# Altium PCB WAB_1x4_PCB.PcbDoc (part 3 of 5)
Units mil, origin at the board's own origin, x right, y up, seen from the top; angles counter-clockwise.
Board outline 13210.03 x 3810.03 mil, 12 copper layers (Top Layer, Ground Plane 1 (GND), Inner Layer 1, Ground Plane 2 (GND), Inner Layer 2, Power Plane (+3.3V), Power Plane (+12V), Inner Layer 3, Ground Plane 3 (GND), Inner Layer 4, Ground Plane 4 (GND), Bottom Layer), stack 82.8 mil thick; 113 components, 354 nets, 1682 pads, 1796 vias.
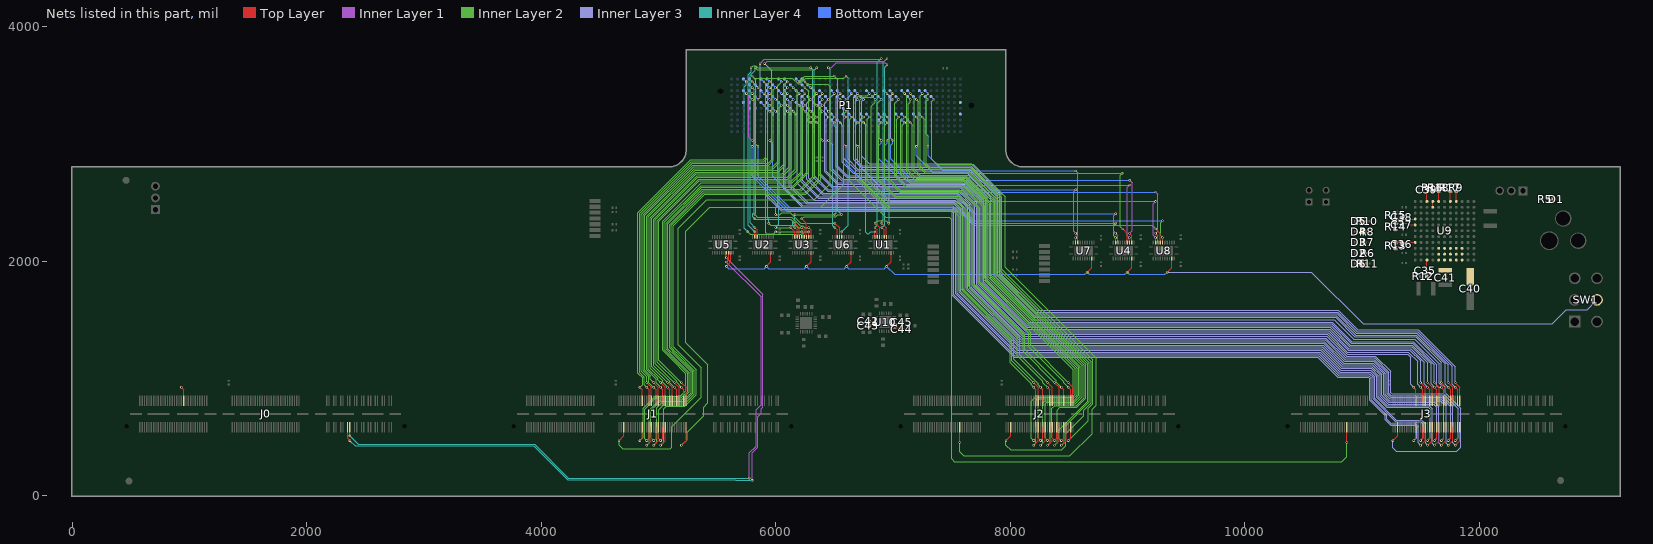
[diagram p13: the nets of this part, all layers, seen from the top]

## Via types
v1: diameter 20, hole 10, Top Layer to Bottom Layer, tented both sides, 1766 vias
v2: diameter 250, hole 125, Top Layer to Bottom Layer, 20 vias
v3: diameter 57.09, hole 53.15, Top Layer to Bottom Layer, 6 vias
v4: diameter 20, hole 10, Top Layer to Bottom Layer, tented bottom, 2 vias
v5: diameter 140, hole 106.3, Top Layer to Bottom Layer, 2 vias

## Nets (pads, with @x,y where several pads share a name; then routed paths per layer and width w, separated by ;. In a path a pad name is that pad's centre, name@x,y a point inside that pad or via, vN(x,y) a via of type N, cw(c..) or ccw(c..) an arc to the next point about the centre after c; other vN are vias at no path point) (continued)
HB03_P: J1.42 P1.E21 | length 4347
  Top Layer w4.71: v1(5196.06,430) 5235.43,469.37 J1.42@5235.43,585.25
  Inner Layer 2 w4.16: v1(5196.06,430) 5244.16,478.09 5244.16,539.15 5385,680 5385,755 5422.47,792.46 5422.47,1117.53 5235,1305 5235,2255 5440,2460 6385.21,2460 6582.92,2657.72 6582.92,3262.45 v1(6600,3279.53)
  Bottom Layer w4.71: P1.E21@6575,3304.53 v1(6600,3279.53)
HB04_N: J1.62 P1.F26 | length 4366.5
  Top Layer w4.71: v1(5018.9,470) 5038.58,489.69 J1.62@5038.58,585.25
  Inner Layer 2 w4.16: v1(5018.9,470) 5001.82,487.08 5001.82,731.82 5047.47,777.46 5217.5,777.46 5307.47,867.43 5307.47,1067.63 5145.92,1229.17 5145.7,1229.17 5110,1264.87 5110,2306.78 5388.22,2585 6250.67,2585 6367.08,2701.41 6367.08,3312.45 v1(6350,3329.53)
  Bottom Layer w4.71: P1.F26@6325,3354.53 v1(6350,3329.53)
HB04_P: J1.60 P1.F25 | length 4438.3
  Top Layer w4.71: v1(5018.9,430) 5058.27,469.37 J1.60@5058.27,585.25
  Inner Layer 2 w4.16: v1(5018.9,430) 5046.72,457.82 5046.72,741.72 5068.31,763.31 5223.37,763.31 5321.62,861.56 5321.62,1073.49 5151.78,1243.33 5151.57,1243.33 5125,1269.89 5125,2300.56 5394.44,2570 6258.08,2570 6382.92,2694.85 6382.92,3312.45 v1(6400,3329.53)
  Bottom Layer w4.71: P1.F25@6375,3354.53 v1(6400,3329.53)
HB05_N: P1.E25 U6.9 | length 1202.2
  Top Layer w4.71: v1(6505.39,2287.09) 6525.07,2267.4 U6.9@6525.07,2207.91
  Inner Layer 1 w4.16: v1(6400,3029.53) v1(6450,3029.53)
  Inner Layer 4 w4.16: v1(6400,3029.53) 6382.92,3046.61 6382.92,3262.45 v1(6400,3279.53) ; v1(6450,3029.53) 6488.31,2991.22 6488.31,2304.16 v1(6505.39,2287.09)
  Bottom Layer w4.71: P1.E25@6375,3304.53 v1(6400,3279.53)
HB05_P: P1.E24 U1.6 | length 2438
  Top Layer w4.71: v1(6905.87,2287.09) 6925.56,2267.4 U1.6@6925.56,2207.91
  Inner Layer 1 w4.16: v1(6450,3650) 6475.85,3650 6517.93,3692.08 6932.92,3692.08 v1(6950,3675)
  Inner Layer 4 w4.16: v1(6450,3279.53) 6467.08,3296.61 6467.08,3632.92 v1(6450,3650) ; v1(6905.87,2287.09) 6931.23,2312.45 6931.23,3656.23 v1(6950,3675)
  Bottom Layer w4.71: P1.E24@6425,3304.53 v1(6450,3279.53)
HB06_CC_N: P1.K29 U3.5 | length 2094
  Top Layer w4.71: v1(6223.01,2361.26) 6262.38,2321.89 U3.5@6262.38,2207.91
  Inner Layer 2 w4.16: v1(6200,3529.53) 6250,3579.53 v1(6500,3579.53) ; v1(6223.01,2361.26) 6243.02,2381.27 6512.46,2381.27 6529.54,2398.35 v1(6564.44,2398.35)
  Inner Layer 4 w4.16: v1(6500,3579.53) 6531.23,3548.3 6531.23,2428.77 v1@6565,2395
  Bottom Layer w4.71: P1.K29@6175,3554.53 v1(6200,3529.53)
HB06_CC_P: J1.96 P1.K28 | length 5240.9
  Top Layer w4.71: v1(4664.57,470) 4703.94,509.37 J1.96@4703.94,585.25
  Inner Layer 2 w4.16: v1(4664.57,470) 4664.57,430.43 4695,400 5100,400 5115,415 5115,589.17 5365,839.17 5365,1090.16 5169.16,1286.01 5169.16,2279.88 5413.43,2524.16 6329.16,2524.16 6467.08,2662.08 6467.08,3486.6 6443.68,3510 6269.53,3510 v1(6250,3529.53)
  Bottom Layer w4.71: P1.K28@6225,3554.53 v1(6250,3529.53)
HB07_N: J1.72 P1.J28 | length 4578.6
  Top Layer w4.71: v1(4900.79,430) 4940.16,469.37 J1.72@4940.16,585.25
  Inner Layer 2 w4.16: v1(4900.79,430) 4920,449.21 4920,730 5009.93,819.93 5199.91,819.93 5265,885.02 5265,1050.04 5128.33,1186.71 5128.11,1186.71 5065,1249.82 5065,2325.42 5369.58,2630 6154.25,2630 6282,2757.75 6282,3447.53 v1(6250,3479.53)
  Bottom Layer w4.71: P1.J28@6225,3504.53 v1(6250,3479.53)
HB07_P: J1.66 P1.J27 | length 4600.3
  Top Layer w4.71: v1(4959.84,430) 4999.21,469.37 J1.66@4999.21,585.25
  Inner Layer 2 w4.16: v1(4959.84,430) 4987.67,457.82 4987.67,751.59 5027.69,791.62 5211.64,791.62 5293.31,873.29 5293.31,1061.76 5140.06,1215.02 5139.84,1215.02 5095,1259.86 5095,2312.99 5382.01,2600 6217.36,2600 6332.92,2715.56 6332.92,3446.61 v1(6300,3479.53)
  Bottom Layer w4.71: P1.J27@6275,3504.53 v1(6300,3479.53)
HB08_N: J1.41 P1.F29 | length 3620.9
  Top Layer w4.71: v1(5196.06,965) 5235.43,925.63 J1.41@5235.43,810.75
  Inner Layer 2 w4.16: v1(5196.06,965) 5005,1156.06 5005,2340.44 5349.56,2685 6138.54,2685 6217.08,2763.54 6217.08,3312.45 v1(6200,3329.53)
  Bottom Layer w4.71: P1.F29@6175,3354.53 v1(6200,3329.53)
HB08_P: J1.80 P1.F28 | length 4349.3
  Top Layer w4.71: v1(4841.73,470) 4861.42,489.69 J1.80@4861.42,585.25
  Inner Layer 2 w4.16: v1(4841.73,470) 4869.55,497.82 4869.55,744.55 4973.24,848.24 5188.1,848.24 5235,895.14 5235,1040 5116.6,1158.4 5116.39,1158.4 5035,1239.78 5035,2340 5365,2670 6143.55,2670 6231.23,2757.68 6231.23,3310.76 v1(6250,3329.53)
  Bottom Layer w4.71: P1.F28@6225,3354.53 v1(6250,3329.53)
HB09_N: J1.74 P1.E28 | length 4307.4
  Top Layer w4.71: v1(4900.79,470) 4920.47,489.69 J1.74@4920.47,585.25
  Inner Layer 2 w4.16: v1(4900.79,470) 4883.71,487.08 4883.71,738.69 4979.1,834.09 5193.96,834.09 5208.11,848.24 5208.2,848.24 5250.85,890.88 5250.85,1044.17 5122.47,1172.55 5122.25,1172.55 5050.85,1243.96 5050.85,2331.28 5363.72,2644.16 6148.38,2644.16 6267.85,2763.62 6267.85,3261.68 v1(6250,3279.53)
  Bottom Layer w4.71: P1.E28@6225,3304.53 v1(6250,3279.53)
HB09_P: J1.68 P1.E27 | length 4323.2
  Top Layer w4.71: v1(4959.84,470) 4979.53,489.69 J1.68@4979.53,585.25
  Inner Layer 2 w4.16: v1(4959.84,470) 4935,494.84 4935,724.98 5015.79,805.78 5205.78,805.78 5214.07,814.07 5279.16,879.15 5279.16,1055.9 5134.19,1200.86 5133.98,1200.86 5080,1254.84 5080,2319.2 5375.8,2615 6209.96,2615 6317.08,2722.12 6317.08,3262.45 v1(6300,3279.53)
  Bottom Layer w4.71: P1.E27@6275,3304.53 v1(6300,3279.53)
HB10_N: J1.65 P1.K32 | length 3679.9
  Top Layer w4.71: v1(4959.84,965) 4999.21,925.63 J1.65@4999.21,810.75
  Inner Layer 2 w4.16: v1(4959.84,965) 4932.02,992.82 4932.02,1023.01 4885,1070.04 4885,2390.15 5299.85,2805 5975.69,2805 6017.08,2846.39 6017.08,3496.61 v1(6050,3529.53)
  Bottom Layer w4.71: P1.K32@6025,3554.53 v1(6050,3529.53)
HB10_P: J1.59 P1.K31 | length 3716.8
  Top Layer w4.71: v1(5018.9,965) 5058.27,925.63 J1.59@5058.27,810.75
  Inner Layer 2 w4.16: v1(5018.9,965) 4994.16,989.74 4994.16,1000.92 4915,1080.07 4915,2377.72 5312.28,2775 6016.4,2775 6067.08,2825.67 6067.08,3496.61 v1(6100,3529.53)
  Bottom Layer w4.71: P1.K31@6075,3554.53 v1(6100,3529.53)
HB11_N: J1.55 P1.J31 | length 3670
  Top Layer w4.71: v1(5077.95,925) 5097.64,905.32 J1.55@5097.64,810.75
  Inner Layer 2 w4.16: v1(5077.95,925) 5035.98,966.98 5035.98,979.12 4930,1085.09 4930,2371.51 5318.49,2760 6021.42,2760 6081.23,2819.81 6081.23,3460.76 v1(6100,3479.53)
  Bottom Layer w4.71: P1.J31@6075,3504.53 v1(6100,3479.53)
HB11_P: J1.43 P1.J30 | length 3751.7
  Top Layer w4.71: v1(5196.06,925) 5215.75,905.31 J1.43@5215.75,810.75
  Inner Layer 2 w4.16: v1(5196.06,925) 5155,966.06 5155,975 4990,1140 4990,2346.65 5343.35,2700 6105.23,2700 6182.92,2777.69 6182.92,3446.61 v1(6150,3479.53)
  Bottom Layer w4.71: P1.J30@6125,3504.53 v1(6150,3479.53)
HB12_N: J1.61 P1.F32 | length 3483.1
  Top Layer w4.71: v1(5018.9,925) 5038.58,905.31 J1.61@5038.58,810.75
  Inner Layer 2 w4.16: v1(5018.9,925) 4980,963.9 4980,995 4946.18,1028.82 4946.18,1028.88 4900,1075.05 4900,2383.93 5306.07,2790 5980.71,2790 6031.23,2840.52 6031.23,3310.76 v1(6050,3329.53)
  Bottom Layer w4.71: P1.F32@6025,3354.53 v1(6050,3329.53)
HB12_P: J1.49 P1.F31 | length 3566
  Top Layer w4.71: v1(5137.01,925) 5156.69,905.32 J1.49@5156.69,810.75
  Inner Layer 2 w4.16: v1(5137.01,925) 5135.03,925 5095.03,965 5095.03,974.97 4960,1110 4960,2359.08 5330.92,2730 6064.52,2730 6132.92,2798.4 6132.92,3296.61 v1(6100,3329.53)
  Bottom Layer w4.71: P1.F31@6075,3354.53 v1(6100,3329.53)
HB13_N: J1.53 P1.E31 | length 3497.1
  Top Layer w4.71: v1(5077.95,965) 5117.32,925.63 J1.53@5117.32,810.75
  Inner Layer 2 w4.16: v1(5077.95,965) 4945,1097.95 4945,2365.29 5324.71,2745 6057.11,2745 6117.08,2804.96 6117.08,3262.45 v1(6100,3279.53)
  Bottom Layer w4.71: P1.E31@6075,3304.53 v1(6100,3279.53)
HB13_P: J1.47 P1.E30 | length 3534
  Top Layer w4.71: v1(5137.01,965) 5176.38,925.63 J1.47@5176.38,810.75
  Inner Layer 2 w4.16: v1(5137.01,965) 4975,1127.01 4975,2352.87 5337.13,2715 6097.82,2715 6167.08,2784.25 6167.08,3262.45 v1(6150,3279.53)
  Bottom Layer w4.71: P1.E30@6125,3304.53 v1(6150,3279.53)
HB14_N: J1.79 P1.K35 | length 3610.7
  Top Layer w4.71: v1(4841.73,925) 4861.42,905.31 J1.79@4861.42,810.75
  Inner Layer 2 w4.16: v1(4841.73,925) 4865,948.27 4865,1005 4825,1045 4825,2415 5275,2865 5894.27,2865 5917.08,2887.81 5917.08,3512.45 v1(5900,3529.53)
  Bottom Layer w4.71: P1.K35@5875,3554.53 v1(5900,3529.53)
HB14_P: J1.73 P1.K34 | length 3609.3
  Top Layer w4.71: v1(4900.79,925) 4920.47,905.32 J1.73@4920.47,810.75
  Inner Layer 2 w4.16: v1(4900.79,925) 4880,945.79 4880,1010.02 4840,1050.02 4840,2408.79 5281.21,2850 5899.29,2850 5931.23,2881.94 5931.23,3510.76 v1(5950,3529.53)
  Bottom Layer w4.71: P1.K34@5925,3554.53 v1(5950,3529.53)
HB15_N: J1.71 P1.J34 | length 3586.4
  Top Layer w4.71: v1(4900.79,965) 4940.16,925.63 J1.71@4940.16,810.75
  Inner Layer 2 w4.16: v1(4900.79,965) 4900.79,1014.21 4855,1060 4855,2402.57 5287.43,2835 5934.98,2835 5967.08,2867.1 5967.08,3462.45 v1(5950,3479.53)
  Bottom Layer w4.71: P1.J34@5925,3504.53 v1(5950,3479.53)
HB15_P: J1.67 P1.J33 | length 3594.2
  Top Layer w4.71: v1(4959.84,925) 4979.53,905.32 J1.67@4979.53,810.75
  Inner Layer 2 w4.16: v1@4955,925 4917.87,962.13 4917.87,1017.15 4870,1065.02 4870,2396.36 5293.64,2820 5940,2820 5981.23,2861.23 5981.23,3460.76 v1(6000,3479.53)
  Bottom Layer w4.71: P1.J33@5975,3504.53 v1(6000,3479.53)
HB16_N: P1.F35 U3.7 | length 1485
  Top Layer w4.71: U3.7@6223.01,2207.91 v1(6223.01,2250)
  Inner Layer 2 w4.16: v1@6002.92,2250 v1(6223.01,2250)
  Inner Layer 4 w4.16: v1(5900,3329.53) 5917.08,3312.45 5917.08,2242.92 5927.08,2232.92 5982.62,2232.92 v1(5999.7,2250)
  Bottom Layer w4.71: P1.F35@5875,3354.53 v1(5900,3329.53)
HB16_P: P1.F34 U3.6 | length 1436
  Top Layer w4.71: v1(6223.01,2287.09) 6242.7,2267.4 U3.6@6242.7,2207.91
  Inner Layer 2 w4.16: v1(5940.64,2324.17) 5959.81,2305 6170.2,2305 6188.11,2287.09 v1(6223.01,2287.09)
  Inner Layer 4 w4.16: v1(5940.64,2324.17) 5940.64,2359.36 5932.92,2367.08 5932.92,3312.45 v1(5950,3329.53)
  Bottom Layer w4.71: P1.F34@5925,3354.53 v1(5950,3329.53)
HB17_CC_N: P1.K38 U3.4 | length 1911.4
  Top Layer w4.71: U3.4@6282.07,2207.91 v1(6282.07,2250)
  Inner Layer 2 w4.16: v1(5763.48,2250) 5783.48,2230 6227.17,2230 6247.17,2250 v1(6282.07,2250)
  Inner Layer 4 w4.16: v1(5750,3529.53) 5750,3503.68 5732.92,3486.6 5732.92,2282.08 v1@5764.24,2250.76
  Bottom Layer w4.71: P1.K38@5725,3554.53 v1(5750,3529.53)
HB17_CC_P: P1.K37 U3.3 | length 1779.2
  Top Layer w4.71: v1(6282.07,2287.09) 6301.75,2267.4 U3.3@6301.75,2207.91
  Inner Layer 2 w4.16: v1@5820,2400 5845,2375 6137.28,2375 6208.12,2304.16 6230.09,2304.16 6247.17,2287.09 v1(6282.07,2287.09)
  Inner Layer 4 w4.16: v1(5800,3529.53) 5831.23,3498.3 5831.23,2407.05 v1(5822.53,2398.35)
  Bottom Layer w4.71: P1.K37@5775,3554.53 v1(5800,3529.53)
HB18_N: P1.J37 U3.8 | length 1661.9
  Top Layer w4.71: v1(6163.96,2324.17) 6203.33,2284.8 U3.8@6203.33,2207.91
  Inner Layer 2 w4.16: v1(5822.53,2361.26) 5823.79,2360 6128.13,2360 v1(6163.96,2324.17)
  Inner Layer 4 w4.16: v1(5800,3479.53) 5817.08,3462.45 5817.08,2417.04 5805.45,2405.42 5805.45,2378.34 v1(5822.53,2361.26)
  Bottom Layer w4.71: P1.J37@5775,3504.53 v1(5800,3479.53)
HB18_P: P1.J36 U6.7 | length 2412.1
  Top Layer w4.71: U6.7@6564.44,2207.91 v1(6564.44,2250)
  Inner Layer 2 w4.16: v1(5800,3579.53) 5817.08,3562.45 6142.93,3562.45 6192.93,3512.45 6207.07,3512.45 6257.07,3562.45 6582.92,3562.45 v1(6600,3579.53)
  Inner Layer 3 w4.16: v1(5800,3579.53) 5830,3549.53 5830,3499.53 v1(5850,3479.53)
  Inner Layer 4 w4.16: v1(6564.44,2250) 6564.44,2252.93 6617.08,2305.57 6617.08,3562.45 v1(6600,3579.53)
  Bottom Layer w4.71: P1.J36@5825,3504.53 v1(5850,3479.53)
HB19_N: P1.E34 U1.5 | length 3093.3
  Top Layer w4.71: v1(6905.87,2324.17) 6945.24,2284.8 U1.5@6945.24,2207.91
  Inner Layer 1 w4.16: v1(5905,3685) 5926.23,3706.23 6926.7,3706.23 v1(6950,3729.53)
  Inner Layer 3 w4.16: v1(5905,3685) 5967.08,3622.92 5967.08,3296.61 v1(5950,3279.53)
  Inner Layer 4 w4.16: v1(6905.87,2324.17) 6905.87,2345.87 6917.08,2357.08 6917.08,3696.61 v1(6950,3729.53)
  Bottom Layer w4.71: P1.E34@5925,3304.53 v1(5950,3279.53)
HB19_P: P1.E33 U6.8 | length 1613.9
  Top Layer w4.71: v1(6505.39,2324.17) 6544.76,2284.8 U6.8@6544.76,2207.91
  Inner Layer 2 w4.16: v1(5999.7,2398.35) 6034.6,2398.35 6051.68,2415.42 6122.73,2415.42 6213.98,2324.17 v1(6505.39,2324.17)
  Inner Layer 4 w4.16: v1(5999.7,2398.35) 5999.7,2459.7 6017.08,2477.08 6017.08,3262.45 v1(6000,3279.53)
  Bottom Layer w4.71: P1.E33@5975,3304.53 v1(6000,3279.53)
HB20_N: P1.F38
HB20_P: P1.F37
HB21_N: P1.E37
HB21_P: P1.E36
JTAG_TCK: P1.D29
JTAG_TDI: P1.D30
JTAG_TDO: P1.D31
JTAG_TMS: P1.D33
LA00_CC_N: P1.G7 U7.10 | length 2468.6
  Top Layer w4.71: U7.10@8558.09,2158.74 v1(8558.09,2200.83)
  Inner Layer 1 w4.16: v1(8558.09,2200.83) 8577.08,2219.82 8577.08,2752.92 v1(8560,2770)
  Inner Layer 4 w4.16: v1@7300,2980 7300,3065 7282.92,3082.08 7282.92,3362.45 v1(7300,3379.53)
  Bottom Layer w4.71: P1.G7@7275,3404.53 v1(7300,3379.53) ; v1(7300,2979.53) 7300,2900 7425,2775 7685,2775 7690,2770 v1(8560,2770)
LA00_CC_P: J2.120 P1.G6 | length 5092.9
  Top Layer w4.71: v1@7570.87,460 J2.120@7570.87,585.25
  Inner Layer 2 w4.16: v1(7350,3379.53) 7332.92,3362.45 7332.92,2869.8 7377.73,2825 7685,2825 7958.31,2551.69 7958.31,1946.69 8733.31,1171.69 8733.31,772.46 8700,739.15 8700,530 8510,340 7605,340 7570.87,374.13 v1(7570.87,454)
  Bottom Layer w4.71: P1.G6@7325,3404.53 v1(7350,3379.53)
LA01_CC_N: P1.D9 U4.5 | length 2818.9
  Top Layer w4.71: v1(8958.57,2275) 8997.94,2235.63 U4.5@8997.94,2158.74
  Inner Layer 2 w4.16: v1(8955,2750) 8937.92,2732.92 8937.92,2295.65 v1(8958.57,2275)
  Inner Layer 3 w4.16: v1@7200,2980 7217.08,2997.08 7217.08,3212.45 v1(7200,3229.53)
  Bottom Layer w4.71: P1.D9@7175,3254.53 v1(7200,3229.53) ; v1(7200,2979.53) 7200,2900 7340,2760 7675,2760 7685,2750 v1(8955,2750)
LA01_CC_P: J2.96 P1.D8 | length 4443.6
  Top Layer w4.71: v1(7964.57,470) 8003.94,509.37 J2.96@8003.94,585.25
  Inner Layer 2 w4.16: v1(7250,3229.53) 7268.77,3210.76 7268.77,2826.76 7312.99,2782.53 7662.47,2782.53 7915,2530 7915,1920 8690.84,1144.16 8690.84,790.86 8627.92,727.94 8627.92,682.92 8474.16,529.15 8474.16,424.15 8440,390 8005,390 7964.57,430.43 v1(7964.57,470)
  Bottom Layer w4.71: P1.D8@7225,3254.53 v1(7250,3229.53)
LA02_N: J2.48 P1.H8 | length 4127
  Top Layer w4.71: v1(8437.01,430) 8476.38,469.37 J2.48@8476.38,585.25
  Inner Layer 2 w4.16: v1(7250,3429.53) 7232.92,3412.45 7232.92,2811.91 7282.3,2762.53 7652.52,2762.53 7896.55,2518.5 7896.55,1911.78 8675.84,1132.48 8675.84,800.83 8460,584.98 8460,452.99 v1(8437.01,430)
  Bottom Layer w4.71: P1.H8@7225,3454.53 v1(7250,3429.53)
LA02_P: J2.44 P1.H7 | length 4008.6
  Top Layer w4.71: v1(8496.06,470) 8515.75,489.69 J2.44@8515.75,585.25
  Inner Layer 2 w4.16: v1(7300,3429.53) 7282.92,3412.45 7282.92,2832.62 7318.85,2796.69 7673.27,2796.69 7930,2539.96 7930,1932.57 8705,1157.57 8705,785 8665,745 8665,638.94 v1(8496.06,470)
  Bottom Layer w4.71: P1.H7@7275,3454.53 v1(7300,3429.53)
LA03_N: J2.60 P1.G10 | length 4271.5
  Top Layer w4.71: v1(8318.9,430) 8358.27,469.37 J2.60@8358.27,585.25
  Inner Layer 2 w4.16: v1(7150,3379.53) 7150,3353.68 7132.92,3336.6 7132.92,2770.49 7197.5,2705.91 7629.07,2705.91 7839.93,2495.05 7839.93,1882.35 8615,1107.28 8615,842.41 8555.13,782.54 8352.53,782.54 8340,770 8340,451.1 v1(8318.9,430)
  Bottom Layer w4.71: P1.G10@7125,3404.53 v1(7150,3379.53)
LA03_P: J2.50 P1.G9 | length 4001.9
  Top Layer w4.71: v1(8437.01,470) 8456.69,489.69 J2.50@8456.69,585.25
  Inner Layer 2 w4.16: v1(7200,3379.53) 7217.08,3362.45 7217.08,2805.35 7274.04,2748.38 7646.66,2748.38 7882.4,2512.64 7882.4,1903.52 8660,1125.92 8660,805 8415,560 8415,492.01 v1(8437.01,470)
  Bottom Layer w4.71: P1.G9@7175,3404.53 v1(7200,3379.53)
LA04_N: J2.62 P1.H11 | length 4263
  Top Layer w4.71: v1(8318.9,470) 8338.58,489.69 J2.62@8338.58,585.25
  Inner Layer 2 w4.16: v1(7100,3429.53) 7117.08,3412.45 7117.08,2763.93 7189.24,2691.76 7623.2,2691.76 7825.77,2489.19 7825.77,1874.1 8599.16,1100.72 8599.16,848.97 8546.87,796.69 8311.69,796.69 8300,785 8300,488.9 v1(8318.9,470)
  Bottom Layer w4.71: P1.H11@7075,3454.53 v1(7100,3429.53)
LA04_P: J2.54 P1.H10 | length 4259.8
  Top Layer w4.71: v1(8377.95,430) 8417.32,469.37 J2.54@8417.32,585.25
  Inner Layer 2 w4.16: v1(7150,3429.53) 7182,3397.53 7182,2785.73 7233.5,2734.22 7640.79,2734.22 7868.24,2506.78 7868.24,1896.47 8645,1119.71 8645,829.98 8569.24,754.22 8424.23,754.22 8400,730 8400,452.05 v1(8377.95,430)
  Bottom Layer w4.71: P1.H10@7125,3454.53 v1(7150,3429.53)
LA05_N: J2.72 P1.D12 | length 4244.8
  Top Layer w4.71: v1(8200.79,430) 8240.16,469.37 J2.72@8240.16,585.25
  Inner Layer 2 w4.16: v1(7050,3229.53) 7032.92,3212.45 7032.92,2729.07 7112.69,2649.29 7605.61,2649.29 7783.31,2471.6 7783.31,1854.12 8555,1082.43 8555,867.26 8527.35,839.61 8245,839.61 8220,814.61 8220,449.21 v1(8200.79,430)
  Bottom Layer w4.71: P1.D12@7025,3254.53 v1(7050,3229.53)
LA05_P: J2.68 P1.D11 | length 4136.8
  Top Layer w4.71: v1(8259.84,470) 8279.53,489.69 J2.68@8279.53,585.25
  Inner Layer 2 w4.16: v1(7100,3229.53) 7067.08,3196.61 7067.08,2743.21 7146.84,2663.45 7611.48,2663.45 7797.47,2477.46 7797.47,1862.37 8570.84,1088.99 8570.84,860.7 8535.15,825 8254.16,825 8240,810.85 8240,489.84 v1(8259.84,470)
  Bottom Layer w4.71: P1.D11@7075,3254.53 v1(7100,3229.53)
LA06_N: J2.66 P1.C11 | length 4137.6
  Top Layer w4.71: v1(8259.84,430) 8299.21,469.37 J2.66@8299.21,585.25
  Inner Layer 2 w4.16: v1(7100,3179.53) 7081.23,3160.76 7081.23,2749.08 7152.71,2677.61 7617.34,2677.61 7811.62,2483.33 7811.62,1868.23 8585,1094.85 8585,854.83 8541.01,810.85 8295.84,810.85 8280,795 8280,450.16 v1(8259.84,430)
  Bottom Layer w4.71: P1.C11@7075,3204.53 v1(7100,3179.53)
LA06_P: J2.56 P1.C10 | length 3952.4
  Top Layer w4.71: v1(8377.95,470) 8397.64,489.69 J2.56@8397.64,585.25
  Inner Layer 2 w4.16: v1(7150,3179.53) 7167.08,3162.45 7167.08,2780.63 7227.64,2720.07 7634.93,2720.07 7854.09,2500.91 7854.09,1890.6 8630.84,1113.84 8630.84,835.85 8563.38,768.38 8378.38,768.38 8355,745 8355,492.95 v1(8377.95,470)
  Bottom Layer w4.71: P1.C10@7125,3204.53 v1(7150,3179.53)
LA07_N: P1.H14 U4.4 | length 3301.4
  Top Layer w4.71: U4.4@9017.63,2158.74 v1(9017.63,2200.83)
  Inner Layer 1 w4.16: v1(9017.63,2200.83) 9000,2218.45 9000,2630 v1(9020,2650)
  Inner Layer 3 w4.16: v1@6950,3030 6967.08,3047.08 6967.08,3412.45 v1(6950,3429.53)
  Bottom Layer w4.71: P1.H14@6925,3454.53 v1(6950,3429.53) ; v1(6950,3029.53) 6950,3006.9 6930.64,2987.55 6930.64,2874.36 7120,2685 7650,2685 7685,2650 v1(9020,2650)
LA07_P: P1.H13 U4.3 | length 3286.3
  Top Layer w4.71: v1(9017.63,2237.91) 9037.31,2218.23 U4.3@9037.31,2158.74
  Inner Layer 1 w4.16: v1(9017.63,2237.91) 9040,2260.29 9040,2670 v1(9020,2690)
  Inner Layer 3 w4.16: v1@7000,3030 6981.23,3048.77 6981.23,3410.76 v1(7000,3429.53)
  Bottom Layer w4.71: P1.H13@6975,3454.53 v1(7000,3429.53) ; v1(7000,3029.53) 7000,3006.9 6980.64,2987.55 6980.64,2874.36 7140,2715 7660,2715 7685,2690 v1(9020,2690)
LA08_N: J2.41 P1.G13 | length 3574.1
  Top Layer w4.71: v1(8496.06,965) 8535.43,925.63 J2.41@8535.43,810.75
  Inner Layer 2 w4.16: v1(7000,3379.53) 6967.08,3346.61 6967.08,2701.79 7064.72,2604.16 7588.22,2604.16 7740,2452.38 7740,1826.55 8174.16,1392.39 8174.16,1286.91 v1(8496.06,965)
  Bottom Layer w4.71: P1.G13@6975,3404.53 v1(7000,3379.53)
LA08_P: J2.74 P1.G12 | length 4330.4
  Top Layer w4.71: v1(8200.79,470) 8220.47,489.69 8220.47,513.58 8220,514.05 8220,560.89 8220.47,561.36 J2.74@8220.47,585.25
  Inner Layer 2 w4.16: v1(7050,3379.53) 7017.08,3346.61 7017.08,2722.5 7104.44,2635.14 7599.75,2635.14 7769.16,2465.74 7769.16,1845.86 8539.16,1075.86 8539.16,873.82 8519.1,853.77 8228.77,853.77 8180,805 8180,490.79 v1(8200.79,470)
  Bottom Layer w4.71: P1.G12@7025,3404.53 v1(7050,3379.53)
LA09_N: P1.D15 U7.9 | length 2675.4
  Top Layer w4.71: v1(8558.09,2237.91) 8577.77,2218.23 U7.9@8577.77,2158.74
  Inner Layer 1 w4.16: v1(8558.09,2237.91) 8541.01,2254.99 8541.01,2591.01 v1(8560,2610)
  Inner Layer 3 w4.16: v1@6900,3030 6882.92,3047.08 6882.92,3212.45 v1(6900,3229.53)
  Bottom Layer w4.71: P1.D15@6875,3254.53 v1(6900,3229.53) ; v1(6900,3029.53) 6900,3006.9 6880.64,2987.55 6880.64,2874.36 7100,2655 7640,2655 7685,2610 v1(8560,2610)
LA09_P: P1.D14 U1.8 | length 1219.9
  Top Layer w4.71: v1(6846.82,2324.17) 6886.19,2284.8 U1.8@6886.19,2207.91
  Inner Layer 2 w4.16: v1(6846.82,2324.17) 6867.64,2345 6944.1,2345 v1(6964.93,2324.17)
  Inner Layer 4 w4.16: v1(6950,3229.53) 6967.08,3212.45 v1@6967.08,2320
  Bottom Layer w4.71: P1.D14@6925,3254.53 v1(6950,3229.53)
LA10_N: J2.49 P1.C15 | length 3382.1
  Top Layer w4.71: v1(8437.01,925) 8456.69,905.32 J2.49@8456.69,810.75
  Inner Layer 2 w4.16: v1(6900,3179.53) 6881.23,3160.76 6881.23,2699.48 7025.71,2555 7567.86,2555 7690.84,2432.02 7690.84,1806.19 8125,1372.03 8125,1250 8395.03,979.97 8395.03,966.98 v1(8437.01,925)
  Bottom Layer w4.71: P1.C15@6875,3204.53 v1(6900,3179.53)
LA10_P: J2.43 P1.C14 | length 3374.1
  Top Layer w4.71: v1(8496.06,925) 8515.75,905.31 J2.43@8515.75,810.75
  Inner Layer 2 w4.16: v1(6950,3179.53) 6932.16,3161.68 6932.16,2716.7 7058.85,2590 7582.36,2590 7725.84,2446.52 7725.84,1820.69 8160,1386.53 8160,1270 8458.03,971.97 8458.03,963.03 v1(8496.06,925)
  Bottom Layer w4.71: P1.C14@6925,3204.53 v1(6950,3179.53)
LA11_N: J2.73 P1.H17 | length 3710
  Top Layer w4.71: v1(8200.79,925) 8220.47,905.32 J2.73@8220.47,810.75
  Inner Layer 2 w4.16: v1(6800,3429.53) 6781.23,3410.76 6707.08,3410.76 6682.92,3386.6 6682.92,2704.77 6957.69,2430 7516.09,2430 7565.84,2380.24 7565.84,1754.41 8000,1320.26 8000,1135 8180,955 8180,945.79 v1(8200.79,925)
  Bottom Layer w4.71: P1.H17@6775,3454.53 v1(6800,3429.53)
LA11_P: J2.71 P1.H16 | length 3709.9
  Top Layer w4.71: v1(8200.79,965) 8240.16,925.63 J2.71@8240.16,810.75
  Inner Layer 2 w4.16: v1(6850,3429.53) 6817.08,3396.61 6742.93,3396.61 6718.77,3372.45 6718.77,2688.94 6962.71,2445 7522.3,2445 7580.84,2386.45 7580.84,1760.63 8015,1326.47 8015,1150.79 v1(8200.79,965)
  Bottom Layer w4.71: P1.H16@6825,3454.53 v1(6850,3429.53)
LA12_N: J2.59 P1.G16 | length 3590.3
  Top Layer w4.71: v1(8318.9,965) 8358.27,925.63 J2.59@8358.27,810.75
  Inner Layer 2 w4.16: v1(6850,3379.53) 6850,3353.68 6817.08,3320.76 6817.08,2672.9 6979.14,2510.85 7549.57,2510.85 7646.69,2413.73 7646.69,1787.9 8080.85,1353.74 8080.85,1203.05 v1(8318.9,965)
  Bottom Layer w4.71: P1.G16@6825,3404.53 v1(6850,3379.53)
LA12_P: J2.53 P1.G15 | length 3577.5
  Top Layer w4.71: v1(8377.95,965) 8417.32,925.63 J2.53@8417.32,810.75
  Inner Layer 2 w4.16: v1(6900,3379.53) 6867.08,3346.61 6867.08,2693.61 7019.85,2540.85 7562,2540.85 7676.69,2426.16 7676.69,1800.33 8110.85,1366.17 8110.85,1232.11 v1(8377.95,965)
  Bottom Layer w4.71: P1.G15@6875,3404.53 v1(6900,3379.53)
LA13_N: J2.67 P1.D18 | length 3430.3
  Top Layer w4.71: v1(8259.84,925) 8279.53,905.32 J2.67@8279.53,810.75
  Inner Layer 2 w4.16: v1(6750,3229.53) 6732.92,3212.45 6732.92,2694.8 6967.73,2460 7528.51,2460 7595.84,2392.67 7595.84,1766.84 8030,1332.68 8030,1165 8240,955 8240,944.84 v1(8259.84,925)
  Bottom Layer w4.71: P1.D18@6725,3254.53 v1(6750,3229.53)
LA13_P: J2.61 P1.D17 | length 3435.5
  Top Layer w4.71: v1(8318.9,925) 8338.58,905.31 J2.61@8338.58,810.75
  Inner Layer 2 w4.16: v1(6800,3229.53) 6782.92,3212.45 6782.92,2684.84 6977.76,2490 7540.94,2490 7625.84,2405.09 7625.84,1779.27 8060,1345.11 8060,1195 8280,975 8280,963.9 v1(8318.9,925)
  Bottom Layer w4.71: P1.D17@6775,3254.53 v1(6800,3229.53)
LA14_N: P1.C19 U8.9 | length 3495.3
  Top Layer w4.71: v1(9240.94,2237.91) 9260.63,2218.23 U8.9@9260.63,2158.74
  Inner Layer 1 w4.16: v1(9240,2590) 9258.02,2571.98 9258.02,2254.99 v1(9240.94,2237.91)
  Inner Layer 4 w4.16: v1(6700,2979.53) 6682.92,2996.61 6682.92,3162.45 v1(6700,3179.53)
  Bottom Layer w4.71: P1.C19@6675,3204.53 v1(6700,3179.53) ; v1(6700,2979.53) 6700,2825 6890,2635 7640,2635 7685,2590 v1(9240,2590)
LA14_P: P1.C18 U1.10 | length 1110
  Top Layer w4.71: U1.10@6846.82,2207.91 v1(6846.82,2250)
  Inner Layer 4 w4.16: v1(6750,3179.53) 6767.08,3162.45 6767.08,2246.53 6780.69,2232.92 6794.84,2232.92 6811.91,2250 v1(6846.82,2250)
  Bottom Layer w4.71: P1.C18@6725,3204.53 v1(6750,3179.53)
LA15_N: J3.49 P1.H20 | length 7167.1
  Top Layer w4.71: v1(11737.01,925) 11756.69,905.32 J3.49@11756.69,810.75
  Inner Layer 3 w4.16: v1(6650,3429.53) 6617.08,3396.61 6617.08,2867.93 6700,2785 7651.69,2785 7879.56,2557.13 7879.56,1860.46 8205.02,1535 10781.69,1535 10946.69,1370 11464.95,1370 11710,1124.95 11710,952.01 v1(11737.01,925)
  Bottom Layer w4.71: P1.H20@6625,3454.53 v1(6650,3429.53)
LA15_P: J3.47 P1.H19 | length 7133.4
  Top Layer w4.71: v1(11737.01,965) 11776.38,925.63 J3.47@11776.38,810.75
  Inner Layer 3 w4.16: v1(6700,3429.53) 6667.08,3396.61 6667.08,2866.23 6733.31,2800 7657.9,2800 7894.56,2563.35 7894.56,1874.6 8219.16,1550 10787.9,1550 10952.9,1385 11469.96,1385 11737.01,1117.95 v1(11737.01,965)
  Bottom Layer w4.71: P1.H19@6675,3454.53 v1(6700,3429.53)
LA16_N: J3.43 P1.G19 | length 7085.8
  Top Layer w4.71: v1(11796.06,925) 11815.75,905.31 J3.43@11815.75,810.75
  Inner Layer 3 w4.16: v1(6700,3379.53) 6682.92,3362.45 6682.92,2872.79 6740.71,2815 7664.12,2815 7909.56,2569.56 7909.56,1879.61 8224.17,1565 10794.12,1565 10959.12,1400 11474.98,1400 11770,1104.98 11770,951.06 v1(11796.06,925)
  Bottom Layer w4.71: P1.G19@6675,3404.53 v1(6700,3379.53)
LA16_P: J3.41 P1.G18 | length 7044.1
  Top Layer w4.71: v1(11796.06,965) 11835.43,925.63 J3.41@11835.43,810.75
  Inner Layer 3 w4.16: v1(6750,3379.53) 6732.92,3362.45 6732.92,2893.5 6796.42,2830 7670,2830 7924.56,2575.44 7924.56,1884.63 8229.19,1580 10800,1580 10965,1415 11480,1415 11796.06,1098.94 v1(11796.06,965)
  Bottom Layer w4.71: P1.G18@6725,3404.53 v1(6750,3379.53)
LA17_CC_N: P1.D21 U8.10 | length 3592.7
  Top Layer w4.71: U8.10@9240.94,2158.74 v1(9240.94,2200.83)
  Inner Layer 1 w4.16: v1(6600,2979.53) 6582.92,2996.61 6582.92,3212.45 v1(6600,3229.53) ; v1(9240,2510) 9220,2490 9220,2221.77 v1(9240.94,2200.83)
  Bottom Layer w4.71: P1.D21@6575,3254.53 v1(6600,3229.53) ; v1(6600,2979.53) 6600,2825 6850,2575 7620,2575 7685,2510 v1(9240,2510)
LA17_CC_P: J3.120 P1.D20 | length 7281.7
  Top Layer w4.71: v1@10870.87,460 J3.120@10870.87,585.25
  Inner Layer 2 w4.16: v1(6650,3229.53) 6631.23,3210.76 6631.23,2681.49 6937.73,2375 7480,2375 7500,2355 7500,315 7525,290 10830,290 10870.87,330.87 v1(10870.87,454)
  Bottom Layer w4.71: P1.D20@6625,3254.53 v1(6650,3229.53)
LA18_CC_N: P1.C23 U3.9 | length 1382.6
  Top Layer w4.71: v1(6163.96,2287.09) 6183.64,2267.4 U3.9@6183.64,2207.91
  Inner Layer 2 w4.16: v1(6163.96,2398.35) v1(6505.39,2398.35)
  Inner Layer 4 w4.16: v1(6163.96,2287.09) 6146.88,2304.16 6146.88,2331.25 6163.96,2348.32 v1(6163.96,2398.35) ; v1(6500,3179.53) 6500,3153.68 6517.08,3136.6 6517.08,2410.04 v1(6505.39,2398.35)
  Bottom Layer w4.71: P1.C23@6475,3204.53 v1(6500,3179.53)
LA18_CC_P: J3.96 P1.C22 | length 8187.9
  Top Layer w4.71: v1(11264.57,470) 11303.94,509.37 J3.96@11303.94,585.25
  Inner Layer 3 w4.16: v1(6550,3179.53) 6568.77,3160.76 6568.77,2843.77 6662.53,2750 7635,2750 7835,2550 7835,1850 8185,1500 10765,1500 10930,1335 11450,1335 11660,1125 11660,957.08 11672.08,945 11690,945 11710,925 11710,880 11845,745 11845,415 11810,380 11295,380 11264.57,410.43 v1(11264.57,470)
  Bottom Layer w4.71: P1.C22@6525,3204.53 v1(6550,3179.53)
LA19_N: J3.65 P1.H23 | length 7226.4
  Top Layer w4.71: v1(11559.84,965) 11599.21,925.63 J3.65@11599.21,810.75
  Inner Layer 3 w4.16: v1(6500,3429.53) 6467.08,3396.61 6467.08,2783.39 6565.46,2685 7598.2,2685 7760,2523.2 7760,1814.71 8139.71,1435 10730.62,1435 10895.62,1270 11425,1270 11559.84,1135.16 v1(11559.84,965)
  Bottom Layer w4.71: P1.H23@6475,3454.53 v1(6500,3429.53)
LA19_P: J3.59 P1.H22 | length 7212.1
  Top Layer w4.71: v1(11618.9,965) 11658.27,925.63 J3.59@11658.27,810.75
  Inner Layer 3 w4.16: v1(6550,3429.53) 6517.08,3396.61 6517.08,2804.1 6606.17,2715 7610.62,2715 7790,2535.62 7790,1827.13 8152.13,1465 10743.05,1465 10908.05,1300 11435.04,1300 11604.16,1130.88 ; 11604.16,1130.84 11618.9,1116.1 v1(11618.9,965)
  Bottom Layer w4.71: P1.H22@6525,3454.53 v1(6550,3429.53)
LA20_N: J3.55 P1.G22 | length 7183.1
  Top Layer w4.71: v1(11677.95,925) 11697.64,905.32 J3.55@11697.64,810.75
  Inner Layer 3 w4.16: v1(6550,3379.53) 6531.23,3360.76 6531.23,2809.96 6611.19,2730 7616.84,2730 7805,2541.84 7805,1833.35 8158.35,1480 10749.26,1480 10914.26,1315 11440.05,1315 11640,1115.05 11640,935 11650,925 v1(11677.95,925)
  Bottom Layer w4.71: P1.G22@6525,3404.53 v1(6550,3379.53)
LA20_P: J3.53 P1.G21 | length 7109.1
  Top Layer w4.71: v1(11677.95,965) 11717.32,925.63 J3.53@11717.32,810.75
  Inner Layer 3 w4.16: v1(6600,3379.53) 6582.92,3362.45 6582.92,2879.67 6692.6,2770 7645.48,2770 7864.56,2550.92 7864.56,1855.44 8200,1520 10775.48,1520 10940.48,1355 11459.93,1355 11677.95,1136.97 v1(11677.95,965)
  Bottom Layer w4.71: P1.G21@6575,3404.53 v1(6600,3379.53)
LA21_N: J3.42 P1.H26 | length 8061.2
  Top Layer w4.71: v1(11796.06,430) 11835.43,469.37 J3.42@11835.43,585.25
  Inner Layer 3 w4.16: v1(6350,3429.53) 6317.08,3396.61 6317.08,2721.25 6443.33,2595 7560.92,2595 7670,2485.92 7670,1777.43 8102.43,1345 10693.35,1345 10863.35,1175 11109.98,1175 11230.84,1054.14 11230.84,874.14 11251.21,853.77 11686.21,853.77 11775,764.98 11775,451.06 v1(11796.06,430)
  Bottom Layer w4.71: P1.H26@6325,3454.53 v1(6350,3429.53)
LA21_P: J3.79 P1.H25 | length 7235
  Top Layer w4.71: v1(11441.73,925) 11461.42,905.31 J3.79@11461.42,810.75
  Inner Layer 3 w4.16: v1(6400,3429.53) 6367.08,3396.61 6367.08,2741.96 6484.04,2625 7573.35,2625 7700,2498.35 7700,1789.85 8114.85,1375 10705.77,1375 10875.77,1205 11390,1205 11415,1180 11415,951.73 v1(11441.73,925)
  Bottom Layer w4.71: P1.H25@6375,3454.53 v1(6400,3429.53)
LA22_N: J3.73 P1.G25 | length 7200.6
  Top Layer w4.71: v1(11500.79,925) 11520.47,905.32 J3.73@11520.47,810.75
  Inner Layer 3 w4.16: v1(6400,3379.53) 6381.23,3360.76 6381.23,2747.83 6489.06,2640 7579.56,2640 7715,2504.56 7715,1796.07 8121.07,1390 10711.98,1390 10876.98,1225 11395,1225 11475,1145 11475,950.79 v1(11500.79,925)
  Bottom Layer w4.71: P1.G25@6375,3404.53 v1(6400,3379.53)
LA22_P: J3.71 P1.G24 | length 7187.7
  Top Layer w4.71: v1(11500.79,965) 11540.16,925.63 J3.71@11540.16,810.75
  Inner Layer 3 w4.16: v1(6450,3379.53) 6417.08,3346.61 6417.08,2762.67 6524.75,2655 7585.77,2655 7730,2510.77 7730,1802.28 8127.28,1405 10718.2,1405 10883.2,1240 11410,1240 11500.79,1149.21 v1(11500.79,965)
  Bottom Layer w4.71: P1.G24@6425,3404.53 v1(6450,3379.53)
LA23_N: J3.67 P1.D24 | length 7042.2
  Top Layer w4.71: v1(11559.84,925) 11579.53,905.32 J3.67@11579.53,810.75
  Inner Layer 3 w4.16: v1(6450,3229.53) 6431.23,3210.76 6431.23,2768.54 6529.77,2670 7591.98,2670 7745,2516.98 7745,1808.49 8133.49,1420 10724.41,1420 10889.41,1255 11415.02,1255 11514.94,1155.07 11530,1140 11530,954.84 v1(11559.84,925)
  Bottom Layer w4.71: P1.D24@6425,3254.53 v1(6450,3229.53)
LA23_P: J3.61 P1.D23 | length 7030.9
  Top Layer w4.71: v1(11618.9,925) 11638.58,905.31 J3.61@11638.58,810.75
  Inner Layer 3 w4.16: v1(6500,3229.53) 6481.23,3210.76 6481.23,2789.25 6570.48,2700 7604.41,2700 7775,2529.41 7775,1820.92 8145.92,1450 10736.84,1450 10901.84,1285 11430.02,1285 11590,1125.02 11590,953.9 v1(11618.9,925)
  Bottom Layer w4.71: P1.D23@6475,3254.53 v1(6500,3229.53)
LA24_N: J3.62 P1.H29 | length 7992.4
  Top Layer w4.71: v1(11618.9,470) 11638.58,489.69 J3.62@11638.58,585.25
  Inner Layer 3 w4.16: v1(6200,3429.53) 6182.92,3412.45 6182.92,2665.69 6328.61,2520 7529.85,2520 7595,2454.85 7595,1746.36 8071.36,1270 10662.28,1270 10832.28,1100 11084.89,1100 11155,1029.89 11155,849.89 11224.05,780.85 11614.14,780.85 11640,754.98 11640,491.1 v1(11618.9,470)
  Bottom Layer w4.71: P1.H29@6175,3454.53 v1(6200,3429.53)
LA24_P: J3.54 P1.H28 | length 8063.4
  Top Layer w4.71: v1(11677.95,430) 11717.32,469.37 J3.54@11717.32,585.25
  Inner Layer 3 w4.16: v1(6250,3429.53) 6217.08,3396.61 6217.08,2679.83 6361.91,2535 7536.07,2535 7610,2461.07 7610,1752.57 8077.57,1285 10668.49,1285 10838.49,1115 11089.91,1115 11170,1034.91 11170,854.91 11229.91,795 11620,795 11655,760 11655,452.95 v1(11677.95,430)
  Bottom Layer w4.71: P1.H28@6225,3454.53 v1(6250,3429.53)
LA25_N: J3.56 P1.G28 | length 7955.3
  Top Layer w4.71: v1(11677.95,470) 11697.64,489.69 J3.56@11697.64,585.25
  Inner Layer 3 w4.16: v1(6250,3379.53) 6232.92,3362.45 6232.92,2686.4 6369.32,2550 7542.28,2550 7625,2467.28 7625,1758.79 8083.79,1300 10674.71,1300 10844.71,1130 11094.93,1130 11185,1039.93 11185,859.93 11233.63,811.3 11668.63,811.3 11700,779.93 11700,492.05 v1(11677.95,470)
  Bottom Layer w4.71: P1.G28@6225,3404.53 v1(6250,3379.53)
LA25_P: J3.48 P1.G27 | length 8025.5
  Top Layer w4.71: v1(11737.01,430) 11776.38,469.37 J3.48@11776.38,585.25
  Inner Layer 3 w4.16: v1(6300,3379.53) 6267.08,3346.61 6267.08,2700.54 6402.62,2565 7548.49,2565 7640,2473.49 7640,1765 8090,1315 10680.92,1315 10850.92,1145 11099.95,1145 11200,1044.95 11200,864.95 11239.49,825.46 11674.49,825.46 11719.93,780.02 11719.93,447.08 v1(11737.01,430)
  Bottom Layer w4.71: P1.G27@6275,3404.53 v1(6300,3379.53)
LA26_N: J3.50 P1.D27 | length 7794.6
  Top Layer w4.71: v1(11737.01,470) 11756.69,489.69 J3.50@11756.69,585.25
  Inner Layer 3 w4.16: v1(6300,3229.53) 6281.23,3210.76 6281.23,2706.41 6407.64,2580 7554.71,2580 7655,2479.71 7655,1771.21 8096.21,1330 10687.13,1330 10857.13,1160 11104.96,1160 11215,1049.96 11215,869.96 11245.35,839.61 11680.35,839.61 11760,759.96 11760,492.99 v1(11737.01,470)
  Bottom Layer w4.71: P1.D27@6275,3254.53 v1(6300,3229.53)
LA26_P: J3.44 P1.D26 | length 7781.2
  Top Layer w4.71: v1(11796.06,470) 11815.75,489.69 J3.44@11815.75,585.25
  Inner Layer 3 w4.16: v1(6350,3229.53) 6331.23,3210.76 6331.23,2727.12 6448.35,2610 7567.13,2610 7685,2492.13 7685,1783.64 8108.64,1360 10699.56,1360 10869.56,1190 11115,1190 11245,1060 11245,880 11257.08,867.92 11692.08,867.92 11820,740 11820,493.94 v1(11796.06,470)
  Bottom Layer w4.71: P1.D26@6325,3254.53 v1(6350,3229.53)
LA27_N: P1.C27 U2.10 | length 2518.7
  Top Layer w4.71: U2.10@5822.53,2207.91 v1(5822.53,2250)
  Inner Layer 2 w4.16: v1(5790,3650) 5807.08,3667.08 5832.07,3667.08 5849.15,3650 v1(6300,3650)
  Inner Layer 4 w4.16: v1(5790,3650) 5790,3615 5767.08,3592.08 5767.08,2305.45 v1(5822.53,2250) ; v1(6300,3179.53) 6317.08,3196.61 6317.08,3632.92 v1(6300,3650)
  Bottom Layer w4.71: P1.C27@6275,3204.53 v1(6300,3179.53)
LA27_P: P1.C26 U2.9 | length 2546
  Top Layer w4.71: v1(5822.53,2287.09) 5842.22,2267.4 U2.9@5842.22,2207.91
  Inner Layer 2 w4.16: v1(5825,3650) 5842.08,3632.92 6332.92,3632.92 v1(6350,3650)
  Inner Layer 4 w4.16: v1(5822.53,2287.09) 5781.23,2328.39 5781.23,3585 5825,3628.77 v1(5825,3650) ; v1(6350,3179.53) 6331.23,3198.3 6331.23,3631.23 v1(6350,3650)
  Bottom Layer w4.71: P1.C26@6325,3204.53 v1(6350,3179.53)
LA28_N: J3.74 P1.H32 | length 7940.5
  Top Layer w4.71: v1(11500.79,470) 11520.47,489.69 J3.74@11520.47,585.25
  Inner Layer 3 w4.16: v1(6050,3429.53) 6067.08,3412.45 6067.08,2617.7 6224.78,2460 7505,2460 7535,2430 7535,1721.51 8046.51,1210 10637.43,1210 10807.43,1040 11064.82,1040 11095,1009.82 11095,824.98 11289.14,630.85 11504.14,630.85 11525,609.98 11525,494.21 v1(11500.79,470)
  Bottom Layer w4.71: P1.H32@6025,3454.53 v1(6050,3429.53)
LA28_P: J3.66 P1.H31 | length 8025.1
  Top Layer w4.71: v1(11559.84,430) 11599.21,469.37 J3.66@11599.21,585.25
  Inner Layer 3 w4.16: v1(6100,3429.53) 6082.92,3412.45 6082.92,2624.26 6232.19,2475 7511.21,2475 7550,2436.21 7550,1727.72 8052.72,1225 10643.64,1225 10813.64,1055 11069.84,1055 11110,1014.84 11110,830 11295,645 11510,645 11542.76,612.24 11542.76,447.08 v1(11559.84,430)
  Bottom Layer w4.71: P1.H31@6075,3454.53 v1(6100,3429.53)
LA29_N: J3.68 P1.G31 | length 7959.2
  Top Layer w4.71: v1(11559.84,470) 11579.53,489.69 J3.68@11579.53,585.25
  Inner Layer 3 w4.16: v1(6100,3379.53) 6117.08,3362.45 6117.08,2638.41 6265.49,2490 7517.43,2490 7565,2442.43 7565,1733.93 8058.93,1240 10649.85,1240 10819.85,1070 11074.86,1070 11125,1019.86 11125,860 11125.84,859.15 11125.84,839.01 11212.32,752.54 11567.45,752.54 11585,734.98 11585,495.16 v1(11559.84,470)
  Bottom Layer w4.71: P1.G31@6075,3404.53 v1(6100,3379.53)
LA29_P: J3.60 P1.G30 | length 8043
  Top Layer w4.71: v1(11618.9,430) 11658.27,469.37 J3.60@11658.27,585.25
  Inner Layer 3 w4.16: v1(6150,3379.53) 6132.92,3362.45 6132.92,2644.97 6272.9,2505 7523.64,2505 7580,2448.64 7580,1740.15 8065.15,1255 10656.07,1255 10826.07,1085 11079.87,1085 11140,1024.87 11140,844.87 11218.18,766.69 11573.31,766.69 11600,740 11600,448.9 v1(11618.9,430)
  Bottom Layer w4.71: P1.G30@6125,3404.53 v1(6150,3379.53)
LA30_N: J3.80 P1.H35 | length 8070.1
  Top Layer w4.71: v1(11441.73,470) 11461.42,489.69 J3.80@11461.42,585.25
  Inner Layer 3 w4.16: v1(5900,3429.53) 5917.08,3412.45 5917.08,2560.69 6047.76,2430 7492.57,2430 7505,2417.57 7505,1709.08 8034.08,1180 10625,1180 10795,1010 11054.78,1010 11065,999.78 11065,814.95 11198.77,681.18 11198.77,646.21 11244.14,600.85 11449.14,600.85 11465.84,584.14 11465.84,494.11 v1(11441.73,470)
  Bottom Layer w4.71: P1.H35@5875,3454.53 v1(5900,3429.53)
LA30_P: J3.72 P1.H34 | length 8156.1
  Top Layer w4.71: v1(11500.79,430) 11540.16,469.37 J3.72@11540.16,585.25
  Inner Layer 3 w4.16: v1(5950,3429.53) 5932.92,3412.45 5932.92,2564.86 6052.78,2445 7498.79,2445 7520,2423.79 7520,1715.29 8040.29,1195 10631.21,1195 10801.21,1025 11059.8,1025 11080,1004.8 11080,819.96 11212.92,687.04 11212.92,652.08 11250,615 11455,615 11480,590 11480,450.79 v1(11500.79,430)
  Bottom Layer w4.71: P1.H34@5925,3454.53 v1(5950,3429.53)
LA31_N: P1.G34 U4.9 | length 4040.7
  Top Layer w4.71: v1(8899.52,2237.91) 8919.2,2218.23 U4.9@8919.2,2158.74
  Inner Layer 1 w4.16: v1(5950,3029.53) 5967.08,3046.61 5967.08,3362.45 v1(5950,3379.53) ; v1(8899.52,2237.91) 8882.44,2254.99 8882.44,2387.44 v1(8900,2405)
  Bottom Layer w4.71: P1.G34@5925,3404.53 v1(5950,3379.53) ; v1(5950,3029.53) 5975,3004.53 5975,2725 6200,2500 7595,2500 7690,2405 v1(8900,2405)
LA31_P: P1.G33 U3.10 | length 1378
  Top Layer w4.71: v1(6130,2287.09) 6130,2283.96 6163.96,2250 U3.10@6163.96,2207.91
  Inner Layer 2 w4.16: v1(5999.7,2287.09) v1(6130,2287.09)
  Inner Layer 4 w4.16: v1(5999.7,2287.09) 6027.52,2314.91 6027.52,2462.52 6032,2467 6032,3347.53 v1(6000,3379.53)
  Bottom Layer w4.71: P1.G33@5975,3404.53 v1(6000,3379.53)
LA32_N: P1.H38 U4.10 | length 4189.7
  Top Layer w4.71: U4.10@8899.52,2158.74 v1(8899.52,2200.83)
  Inner Layer 1 w4.16: v1(5750,3429.53) 5768.77,3410.76 5768.77,3056.23 v1@5795,3030
  Inner Layer 2 w4.16: v1(8899.52,2200.83) 8882.44,2217.9 8882.44,2307.44 v1(8900,2325)
  Bottom Layer w4.71: P1.H38@5725,3454.53 v1(5750,3429.53) ; v1(5800,3029.53) 5825,3004.53 5825,2725 6110,2440 7575,2440 7690,2325 v1(8900,2325)
LA32_P: P1.H37 U8.7 | length 4572.9
  Top Layer w4.71: U8.7@9300,2158.74 v1(9300,2200.83)
  Inner Layer 2 w4.16: v1(5800,3429.53) 5820,3409.53 5820,3005 v1@5850,2975 ; v1(9300,2200.83) 9282.92,2217.9 9282.92,2327.92 v1(9300,2345)
  Bottom Layer w4.71: P1.H37@5775,3454.53 v1(5800,3429.53) ; v1(5850,2979.53) 5850,2725 6120,2455 7580,2455 7690,2345 v1(9300,2345)
LA33_N: P1.G37 U8.8 | length 4468.5
  Top Layer w4.71: v1(9240.94,2275) 9280.31,2235.63 U8.8@9280.31,2158.74
  Inner Layer 1 w4.16: v1@5800,2975 5817.08,2992.08 5817.08,3362.45 v1(5800,3379.53)
  Bottom Layer w4.71: P1.G37@5775,3404.53 v1(5800,3379.53) ; v1(5800,2979.53) 5800,2725 6100,2425 7570,2425 7690,2305 9210.94,2305 v1(9240.94,2275)
LA33_P: P1.G36 U1.9 | length 2951.1
  Top Layer w4.71: v1(6846.82,2287.09) 6866.5,2267.4 U1.9@6866.5,2207.91
  Inner Layer 1 w4.16: v1(5867.08,3685) 5902.47,3720.39 6890.86,3720.39 v1(6900,3729.53)
  Inner Layer 3 w4.16: v1(5850,3379.53) 5867.08,3396.61 v1(5867.08,3685)
  Inner Layer 4 w4.16: v1(6846.82,2287.09) 6868,2308.27 6868,3697.53 v1(6900,3729.53)
  Bottom Layer w4.71: P1.G36@5825,3404.53 v1(5850,3379.53)
NetC35_1: C35.1 R12.2 U9.A9 | length 136.1
  Top Layer w10: C35.1@11555,1920.75 U9.A9@11555,2010 ; R12.2@11555.75,1873.19 C35.1@11555.75,1920
NetC36_1: C36.1 R13.2 U9.D11 | length 171.6
  Top Layer w4.71: R13.2@11285,2157.56 R13.2@11288.19,2160.75 ; U9.D11@11454.25,2160.75 U9.D11@11455,2160
  Top Layer w10: R13.2@11288.19,2160.75 C36.1@11340,2160.75 U9.D11@11454.25,2160.75
NetC37_1: C37.1 R14.2 U9.G11 | length 168.3
  Top Layer w10: R14.2@11293.19,2325.75 C37.1@11340,2325.75 11384.25,2325.75 11400,2310 U9.G11@11455,2310
NetC38_1: C38.1 R15.2 U9.H11 | length 161.1
  Top Layer w10: R15.2@11293.19,2359.25 C38.1@11340,2359.25 U9.H11@11454.25,2359.25
NetC39_1: C39.1 R16.2 U9.L9 | length 131.1
  Top Layer w10: U9.L9@11555,2510 C39.1@11555,2594.25 R16.2@11601.81,2594.25
NetC40_1: C40.1 C41.1 U9.A3 U9.A4 U9.A5 U9.A6 U9.A7 U9.B3 U9.B4 U9.B5 U9.B6 U9.B7 U9.C3 U9.C4 U9.C5 U9.C6 U9.C7
NetC42_1: C42.1 U10.3 | length 52.2
  Top Layer w4.71: C42.1@6805.91,1489.84 U10.3@6858.13,1489.84
NetC43_1: C43.1 U10.5 | length 51.9
  Top Layer w4.71: C43.1@6806.22,1450.47 U10.5@6858.13,1450.47
NetC44_1: C44.1 U10.13 | length 51.9
  Top Layer w4.71: U10.13@7011.87,1430.79 7048.46,1430.79 C44.1@7059.25,1420
NetC45_1: C45.1 U10.15 | length 51.5
  Top Layer w4.71: U10.15@7011.87,1470.16 7049.41,1470.16 C45.1@7059.25,1480
NetD1_1: D1.1 R5.1 | length 51.7
  Top Layer w4.71: R5.1@12578.19,2530 D1.1@12629.88,2530
NetD2_1: D2.1 R6.1 | length 31.7
  Top Layer w4.71: D2.1@11002.56,2070 R6.1@11034.25,2070
NetD3_1: D3.1 R7.1 | length 31.7
  Top Layer w4.71: D3.1@11000.12,2160 R7.1@11031.81,2160
NetD4_1: D4.1 R8.1 | length 31.7
  Top Layer w4.71: D4.1@11000.12,2250 R8.1@11031.81,2250
NetD5_1: D5.1 R10.1 | length 31.7
  Top Layer w4.71: D5.1@11000.12,2340 R10.1@11031.81,2340
NetD6_1: D6.1 R11.1 | length 31.7
  Top Layer w4.71: D6.1@11002.56,1980 R11.1@11034.25,1980
NetR9_2: R9.2 U9.L4 | length 87.4
  Top Layer w10: U9.L4@11805,2510 R9.2@11805,2597.44
NetR17_2: R17.2 U9.L5 | length 87.4
  Top Layer w10: U9.L5@11755,2510 R17.2@11755,2597.44
NetR18_2: R18.2 U9.L7 | length 87.4
  Top Layer w10: U9.L7@11655,2510 R18.2@11655,2597.44
NetSW1_5: SW1.5 U1.22 U2.22 U3.22 U4.22 U5.22 U6.22 U7.22 U8.22 | length 8886.5
  Top Layer w4.71: v1(5579.53,1955.83) 5618.9,1995.2 U5.22@5618.9,2072.09 ; v1(5920.96,1955.83) 5960.33,1995.2 U2.22@5960.33,2072.09 ; v1(6262.38,1955.83) 6301.75,1995.2 U3.22@6301.75,2072.09 ; v1(6603.81,1955.83) 6643.18,1995.2 U6.22@6643.18,2072.09 ; v1(6945.24,1955.83) 6984.61,1995.2 U1.22@6984.61,2072.09 ; v1(8656.51,1906.65) 8695.88,1946.02 U7.22@8695.88,2022.91 ; v1(8997.94,1906.65) 9037.31,1946.02 U4.22@9037.31,2022.91 ; v1(9339.37,1906.65) 9378.74,1946.02 U8.22@9378.74,2022.91
  Inner Layer 3 w4.16: v1(9339.37,1906.65) 10568.35,1906.65 11010,1465 12625,1465 12745,1585 12920,1585 SW1.5@13005,1670
  Bottom Layer w4.71: v1(5579.53,1955.83) 5598.89,1936.47 5901.6,1936.47 v1(5920.96,1955.83) 5940.31,1936.47 6243.03,1936.47 v1(6262.38,1955.83) 6281.74,1936.47 6584.46,1936.47 v1(6603.81,1955.83) 6623.17,1936.47 6925.88,1936.47 v1(6945.24,1955.83) 7013.77,1887.3 8637.16,1887.3 v1(8656.51,1906.65) 8675.87,1887.3 8978.58,1887.3 v1(8997.94,1906.65) 9017.3,1887.3 9320.01,1887.3 v1(9339.37,1906.65)
NetU9_K8: U9.K8 U9.L8 | length 50
  Top Layer w10: U9.K8@11605,2460 U9.L8@11605,2510
PG_C2M: P1.D1
PG_M2C: P1.F1
Q0_CTRL_SEL: J0.121 | length 122.4
  Top Layer w4.71: v1(931.5,925) 951.18,905.31 J0.121@951.18,810.75
Q0_LED_1: J0.26 U5.21 | length 5725
  Top Layer w4.71: v1(2368.51,510) J0.26@2368.5,585.25 ; v1(5579.53,1992.91) 5599.21,2012.6 U5.21@5599.21,2072.09
  Inner Layer 1 w4.16: v1(5579.53,1992.91) 5875.07,1697.37 5875.07,774.22 5833.77,732.92 5833.77,423.77 5775,365 v1(5775,150)
  Inner Layer 4 w4.16: v1(2368.51,510) 2439.35,439.15 3943.29,439.15 4232.44,150 v1(5775,150)
Q0_LED_2: J0.28 U5.20 | length 5802
  Top Layer w4.71: J0.28@2348.82,585.25 2348.82,489.69 v1(2368.51,470) ; v1(5579.53,2030) U5.20@5579.53,2072.09
  Inner Layer 1 w4.16: v1(5579.53,2030) 5889.23,1720.3 5889.23,753.48 5877.99,742.25 5877.99,702.14 5847.92,672.07 5847.92,412.92 5800,365 v1@5800,130.43
  Inner Layer 4 w4.16: v1(2368.51,470) 2413.51,425 3937.43,425 4226.58,135.85 5655.02,135.85 5660.43,130.43 v1(5799.57,130.43)